# KiCad board dsv4.kicad_pcb (continued)
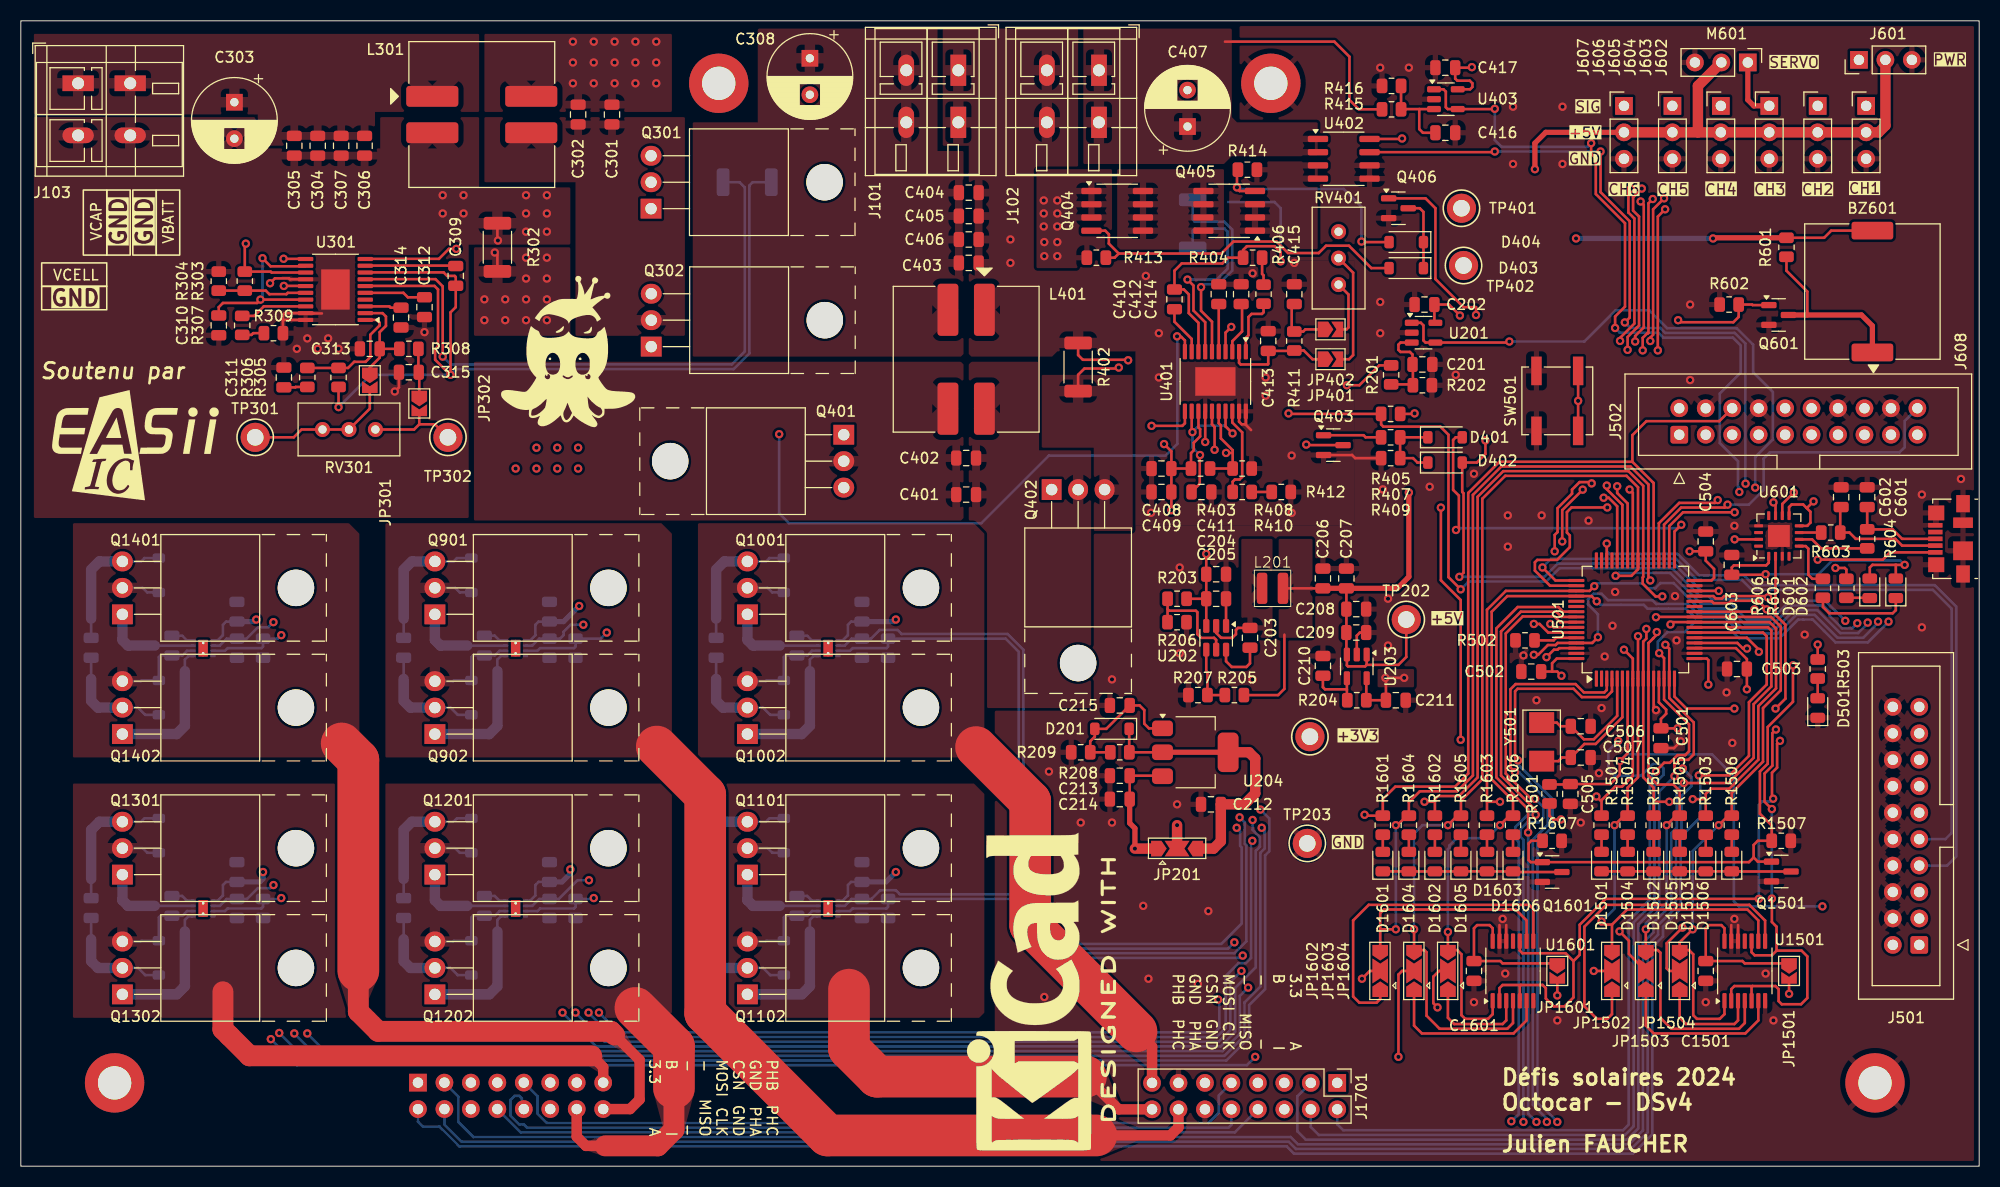
[diagram p0: board, top side]
## Routing (per net, layer and track width the routed paths; a pad name or vN(x,y) marks a point on that pad's centre or on a via; arc(x,y) is an arc through that point) (continued)
/MCU/MOT1.AL: length 157.6
  Top w0.25: v1(151,18.75) JP1502.2
  In2.Cu w0.25: v1(53.25,14.75) 52.05,15.95 52.05,26 54.03,27.97 54.03,29.16 52.03,31.16 52.03,49.39 53.89,51.25 v1(56.25,51.25) ; v1(151,18.75) 150.2,19.55 117.97,19.55 v1(117.18,18.75)
  Bottom w0.25: U901.3 49.6,49.5 49.85,49.75 53.1,49.75 53.25,49.9 R902.1 55.66,50.66 v1(56.25,51.25) ; v1(53.25,14.75) 56.05,11.95 114.99,11.95 116.12,13.08 116.12,17.7 v1(117.18,18.75)
/MCU/MOT1.BH: length 164.6
  Top w0.25: 156.75,35 R1502.1 ; 156.75,35 156.75,36.35 155.75,37.35 U501.10 155.75,50.37 156.05,50.67 v1(156.05,51.6) ; 156.75,35 v1(158.25,35)
  In2.Cu w0.25: v1(116.72,32.5) 116.28,32.95 116.28,33.8 118.92,36.45 149.29,36.45 151.49,34.25 157.5,34.25 v1(158.25,35) ; v1(156.05,51.6) 155.25,52.4 155.25,61.99 162.02,68.76 162.8,68.76 J502.5
  Bottom w0.25: U1001.2 79.1,50 79.76,50.66 R1001.1 81.61,50.66 82.45,51.5 84.16,51.5 84.55,51.11 94.72,51.11 96.25,49.59 96.25,26.41 101.31,21.35 115.25,21.35 117.2,23.3 117.2,30.61 117.05,30.76 117.05,32.17 v1(116.72,32.5)
/MCU/MOT1.BL: length 108.3
  Top w0.25: v1(153.47,22.55) 154.38,21.65 154.38,20.38 JP1503.2
  In2.Cu w0.25: v1(116.5,21.5) 117.05,21.5 118.1,20.45 151.38,20.45 v1(153.47,22.55)
  Bottom w0.25: U1001.3 79.6,49.5 79.85,49.75 83.1,49.75 83.25,49.9 R1002.1 94.54,50.66 95.8,49.4 95.8,26.22 101.12,20.9 115.9,20.9 v1(116.5,21.5)
/MCU/MOT1.CH: length 162.4
  Top w0.25: v1(158.36,52.03) 158.59,52.25 U501.24 167.88,52.25 168.5,51.63 168.5,45.89 166.8,44.19 166.8,39.04 164.01,36.25 162.25,36.25 161.75,35.75 161.75,35.25 ; v1(160.5,35.25) 161.75,35.25 ; 161.75,35.25 R1503.1
  In2.Cu w0.25: v1(158.36,52.03) 157.7,52.69 157.7,53.03 157.23,53.5 156.67,53.5 156.15,54.01 156.15,55.08 156.6,55.53 156.73,55.53 157.23,56.03 157.23,56.62 156.6,57.25 156.6,61.43 162.58,67.41 163.36,67.41 163.9,67.95 165.3,67.95 165.9,68.55 167.67,68.55 J502.9 ; v1(117,33.5) 119.5,36 149.1,36 151.3,33.8 159.05,33.8 v1(160.5,35.25)
  Bottom w0.25: U1101.2 79.1,25 79.76,25.66 R1101.1 81.66,25.66 82.5,26.5 84,26.5 84.39,26.11 95.27,26.11 100.94,20.45 116.5,20.45 117.65,21.6 117.65,30.8 117.5,30.95 117.5,33 v1(117,33.5)
/MCU/MOT1.CL: length 91.6
  Top w0.25: JP1504.2 158.25,18.75 158,19 158,21.4 v1(159.51,22.91)
  In2.Cu w0.25: v1(159.51,22.91) 158.66,22.91 155.75,20 117.52,20 v1(117.3,20.22)
  Bottom w0.25: v1(117.3,20.22) 117.08,20 100.75,20 95.09,25.66 R1102.1 83.25,24.9 83.1,24.75 79.85,24.75 79.6,24.5 U1101.3
/MCU/MOT1_CMD.AL: length 72.3
  Top w0.25: U1501.9 166.8,23.6 165.75,24.65 154.2,24.65 152.75,23.2 ; 152.75,23.2 152.05,23.2 v1(151.75,23.5) ; 152.75,23.2 JP1502.3 ; v1(155.25,50.9) U501.9 155.25,37.35 154.25,36.35 R1504.1 153.91,33.66 v1(153,32.75)
  In2.Cu w0.25: v1(155.25,50.9) 155,50.9 154.8,51.1 154.8,62.18 161.75,69.13 J502.3
  Bottom w0.25: v1(151.75,23.5) 153,24.75 v1(153,32.75)
/MCU/MOT1_CMD.BL: length 79.1
  Top w0.25: v1(158,32.75) 158.91,33.66 R1505.1 159.25,36.05 158.65,36.65 157.1,36.65 156.25,37.5 U501.11 156.25,50.24 156.7,50.69 156.7,50.7 157.05,51.05 v1(157.05,51.3) ; v1(156,22.75) JP1503.3 157.15,20.75 157.4,20.5 157.4,14.25 158.45,13.2 164.95,13.2 165.5,13.75 U1501.4
  In2.Cu w0.25: v1(157.05,51.3) 157.05,51.63 156.23,52.44 155.96,52.44 155.7,52.7 155.7,61.8 162.21,68.31 162.99,68.31 163.54,68.86 164.94,68.86 166.32,70.25 J502.7
  Bottom w0.25: v1(156,22.75) 156,23.3 158,25.3 v1(158,32.75)
/MCU/MOT1_CMD.CL: length 90.8
  Top w0.25: v1(163,32.75) 163.91,33.66 R1506.1 164.25,35.85 167.25,38.85 167.25,44 168.95,45.7 168.95,51.81 168.01,52.75 U501.25 157,52.75 v1(156.98,52.73) ; v1(160.5,22.75) 159.25,21.5 JP1504.3 160.15,20.75 160.55,20.35 160.55,14.5 160.9,14.15 163.1,14.15 163.55,14.6 U1501.1
  In2.Cu w0.25: J502.2 160.5,71.5 160.5,68.51 154.35,62.36 154.35,50.75 154.93,50.17 156.95,50.17 157.78,51 157.78,51.6 156.98,52.4 v1(156.98,52.73)
  Bottom w0.25: v1(163,32.75) 160.5,30.25 v1(160.5,22.75)
/MCU/MOT1_PWM: length 109.2
  Top w0.25: v1(168.1,34.3) 167.4,35 167.4,37.71 168.15,38.46 168.15,41.6 v1(168.49,41.94) ; U1501.10 166.15,20.55 166.45,20.25 168.1,20.25 168.55,20.7 ; 166.25,17.3 168.45,17.3 168.75,17 168.75,15.85 169.05,15.55 170.9,15.55 171.5,16.15 171.5,20.15 170.95,20.7 168.55,20.7 ; 166.25,17.3 164.5,17.3 164.2,17 U1501.2 ; 166.25,17.3 166.15,17.2 U1501.5 ; 168.55,20.7 168.55,23 168.1,23.45 v1(168.1,25.7) ; U501.35 157.75,61.61 159.39,63.25 163.56,63.25 v1(163.84,63.53)
  In2.Cu w0.25: v1(168.49,41.94) 164.65,41.94 160.82,45.76 160.82,47.15 163.9,50.22 163.9,59.16 163.25,59.81 163.25,62.94 v1(163.84,63.53)
  Bottom w0.25: J502.20 180.85,71.57 180.85,69.05 180.35,68.55 167.9,68.55 167.3,67.95 167.3,64.94 165.89,63.53 v1(163.84,63.53) ; v1(168.1,34.3) v1(168.1,25.7)
/MCU/MOT2.AH: length 197.5
  Top w0.25: 154.71,67.65 154.71,70.21 156.05,71.55 163.05,71.55 J502.6 ; 154.71,67.65 141.94,67.65 138.95,64.66 138.95,37.71 137.69,36.45 131.95,36.45 130.75,35.25 R1601.1 129.09,33.66 v1(129,33.75) ; 154.71,67.65 156.75,65.61 U501.37
  In2.Cu w0.25: v1(54.5,14.75) 53.65,15.6 53.04,15.6 52.5,16.14 52.5,25.81 54.15,27.46 v1(54.54,27.46) ; v1(129,33.75) 128.1,34.65 120.82,34.65 120.18,34 120.18,32.52 118.9,31.25 v1(118.22,31.25)
  Bottom w0.25: U1201.2 49.1,25 49.76,25.66 R1201.1 51.64,25.66 53.44,27.46 v1(54.54,27.46) ; v1(118.22,31.25) 118.1,31.12 118.1,20 117.6,19.5 116.9,19.5 115.67,18.27 115.67,13.27 114.8,12.4 56.82,12.4 54.5,14.72 v1(54.5,14.75)
/MCU/MOT2.AL: length 101.8
  Top w0.25: JP1602.2 129.5,18.75 v1(128.75,18)
  In2.Cu w0.25: v1(128.75,18) 128.1,18.65 120.6,18.65 117.95,16 v1(114.95,16) ; v1(55,25.75) 53.45,25.75 52.95,25.25 52.95,17.85 55.5,15.3 v1(55.5,14.75)
  Bottom w0.25: v1(55.5,14.75) 57.4,12.85 114.61,12.85 115.06,13.29 115.06,15.89 v1(114.95,16) ; v1(55,25.75) 54.91,25.66 R1202.1 53.25,24.9 53.1,24.75 49.85,24.75 49.6,24.5 U1201.3
/MCU/MOT2.BH: length 249.8
  Top w0.25: v1(134.75,35) 135.75,35 ; 135.75,35 R1602.1 ; 135.75,35 135.75,35.25 136.05,35.55 138.06,35.55 139.85,37.34 139.85,64.29 142.31,66.75 154.34,66.75 155.75,65.34 U501.39 155.75,56.6 155.7,56.55 155.7,55.95 156.93,54.72 v1(157.58,54.72)
  In2.Cu w0.25: v1(134.75,35) 134.2,35.55 120.3,35.55 v1(119,34.25) ; v1(24.25,27) 24.78,27 25.8,25.98 25.8,25.45 25.05,24.7 22.7,24.7 22.15,24.15 22.15,14.69 23.62,13.22 24.38,13.22 v1(24.81,12.79) ; v1(157.58,54.72) 158.13,55.27 158.13,56.99 157.5,57.62 157.5,61.06 162.95,66.5 163.73,66.5 164.27,67.05 165.67,67.05 166.27,67.65 169.4,67.65 171.91,70.16 J502.11
  Bottom w0.25: v1(119,34.25) 119.85,33.4 119.85,30.25 119.45,29.85 119.45,17 117.92,15.47 117.92,12.34 115.73,10.15 27.45,10.15 v1(24.81,12.79) ; v1(24.25,27) 23.95,26.7 22.75,26.7 21.71,25.66 R1301.1 19.76,25.66 19.1,25 U1301.2
/MCU/MOT2.BL: length 144.1
  Top w0.25: v1(132.25,10.5) 132.25,18.4 132.6,18.75 JP1603.2
  In2.Cu w0.25: v1(132.25,10.5) v1(118.5,10.5) ; v1(24,12.2) 21.65,14.55 21.65,25.05 22.35,25.75 v1(25,25.75)
  Bottom w0.25: v1(25,25.75) 24.91,25.66 R1302.1 23.25,24.9 23.1,24.75 19.85,24.75 19.6,24.5 U1301.3 ; v1(118.5,10.5) 117.7,9.7 26.5,9.7 v1(24,12.2)
/MCU/MOT2.CH: length 274.9
  Top w0.25: 140.75,35 140.75,53.44 142.56,55.25 U501.51 150.6,55.25 v1(151.05,55.7) ; 140.75,35 R1603.1 ; 140.75,35 v1(142,35)
  In2.Cu w0.25: v1(26.25,12.75) 24.8,14.2 23.85,14.2 22.6,15.45 22.6,23.55 23.3,24.25 25.35,24.25 26.25,25.15 26.25,26.45 21.48,31.22 21.48,50.21 23.52,52.25 v1(24.25,52.25) ; v1(142,35) 141.45,35.55 136.33,35.55 135.05,34.28 134.45,34.28 133.62,35.1 120.49,35.1 119.72,34.34 119.72,33.1 v1(119.12,32.5) ; v1(176.3,52.15) 175.88,52.58 175.88,53.03 175.6,53.3 175.6,66.05 176.99,67.44 J502.15
  Bottom w0.25: v1(119.12,32.5) 119.4,32.22 119.4,30.5 119,30.1 119,17.25 117.47,15.72 117.47,12.52 115.55,10.6 28.4,10.6 v1(26.25,12.75) ; v1(176.3,52.15) 175.8,51.65 174.85,51.65 173.64,52.86 173.64,53.24 173.04,53.85 170.04,53.85 168.24,52.05 165.51,52.05 164.01,53.55 161.12,53.55 158.67,56 157.4,56 156.9,55.5 156.15,55.5 155.67,55.97 151.32,55.97 v1(151.05,55.7) ; v1(24.25,52.25) 23.75,51.75 22.75,51.75 21.66,50.66 R1401.1 19.76,50.66 19.1,50 U1401.2
/MCU/MOT2.CL: length 179.2
  Top w0.25: JP1604.2 136.15,18.75 135.6,18.2 135.6,15.65 v1(136,15.25)
  In2.Cu w0.25: v1(117.82,17.15) 117.82,18.03 118.9,19.1 135.32,19.1 135.68,18.75 135.68,15.57 v1(136,15.25) ; v1(27.5,12.75) 25.35,14.9 23.79,14.9 23.05,15.64 23.05,23.36 23.49,23.8 25.54,23.8 26.7,24.96 26.7,26.65 21.92,31.42 21.92,50.02 22.9,51 v1(25,51)
  Bottom w0.25: v1(25,51) 24.66,50.66 R1402.1 23.25,49.9 23.1,49.75 19.85,49.75 19.6,49.5 U1401.3 ; v1(117.82,17.15) 117.02,16.35 117.02,12.71 115.36,11.05 29.2,11.05 v1(27.5,12.75)
/MCU/MOT2_CMD.AL: length 121
  Top w0.25: v1(156.43,56.25) 156.25,56.42 U501.38 156.25,65.47 154.52,67.2 142.13,67.2 139.4,64.47 139.4,37.52 137.88,36 134.3,36 133.25,34.95 R1604.1 133.06,33.66 132.15,32.75 v1(132,32.75) ; v1(132,22.75) 130.5,22.75 ; 130.5,22.75 130.5,24.3 130.85,24.65 143.5,24.65 144.55,23.6 U1601.9 ; 130.5,22.75 JP1602.3
  In2.Cu w0.25: J502.10 168.1,71.52 168.1,69.86 167.25,69 165.72,69 165.11,68.4 163.71,68.4 163.17,67.86 162.39,67.86 156.15,61.62 156.15,56.53 v1(156.43,56.25)
  Bottom w0.25: v1(132,32.75) v1(132,22.75)
/MCU/MOT2_CMD.BL: length 136.6
  Top w0.25: v1(133.75,22.75) JP1603.3 134.75,20.75 134.95,20.55 134.95,14.45 136.2,13.2 142.7,13.2 143.25,13.75 U1601.4 ; v1(153.1,56.7) 154.62,56.7 155.25,57.33 U501.40 155.25,65.2 154.15,66.3 142.5,66.3 140.3,64.1 140.3,37.15 138.25,35.1 R1605.1 137.91,33.66 v1(137,32.75)
  In2.Cu w0.25: J502.13 174.45,66.7 175.15,66 v1(175.15,52.38)
  Bottom w0.25: v1(175.15,52.38) 173.22,54.3 169.85,54.3 168.05,52.5 165.7,52.5 164.2,54 161.3,54 158.33,56.97 153.38,56.97 v1(153.1,56.7) ; v1(133.75,22.75) 133.75,31.95 134.55,32.75 v1(137,32.75)
/MCU/MOT2_CMD.CL: length 111.4
  Top w0.25: v1(151.29,54.25) 150.79,54.75 U501.52 142.7,54.75 141.2,53.25 141.2,37.15 143.25,35.1 R1606.1 142.91,33.66 v1(142,32.75) ; U1601.1 141.3,14.6 140.85,14.15 138.65,14.15 138.3,14.5 138.3,20.35 137.9,20.75 JP1604.3 v1(137,22.5)
  In2.Cu w0.25: J502.17 179.53,68.71 176.51,65.69 176.51,54.09 v1(178.29,52.3)
  Bottom w0.25: v1(137,22.5) 137,30.45 137.15,30.6 137.15,30.8 137.85,31.5 140.75,31.5 v1(142,32.75) ; v1(151.29,54.25) 151.63,53.91 155.8,53.91 156.17,53.54 159.85,53.54 160.42,52.97 160.4,53 160.75,52.65 163.64,52.65 165.14,51.15 168.64,51.15 170.44,52.95 172.2,52.95 174.4,50.75 176.86,50.75 178.25,52.14 178.25,52.26 v1(178.29,52.3)
/MCU/MOT2_PWM: length 101.4
  Top w0.25: 144,17.4 146.1,17.4 146.4,17.1 146.4,16.1 147.15,15.35 148.2,15.35 149.05,16.2 149.05,19.7 ; 144,17.4 142.25,17.4 141.95,17.1 U1601.2 ; 144,17.4 143.9,17.3 U1601.5 ; 149.05,19.7 148.3,20.45 144.15,20.45 143.9,20.7 U1601.10 ; 149.05,19.7 149.65,20.3 149.65,23.19 152.14,25.67 v1(166.85,25.67) ; U501.36 157.25,61.75 159.2,63.7 162.62,63.7 v1(162.9,63.97) ; v1(168.22,35.29) 168.13,35.29 168.11,35.31 168.11,37.79 168.6,38.28 168.6,40.58 v1(168.88,40.85)
  In2.Cu w0.25: v1(168.88,40.85) 165.94,40.85 165.3,41.49 164.46,41.49 160.38,45.58 160.38,47.33 163.45,50.41 163.45,53.77 162.28,54.95 162.28,55.72 162.8,56.25 162.8,63.88 v1(162.9,63.97)
  Bottom w0.25: v1(166.85,25.67) 166.85,34.7 167.18,35.03 167.96,35.03 v1(168.22,35.29)
/MCU/MOT_LED_EN: length 87.4
  Top w0.25: v1(170.12,48.1) 170.12,44.6 167.7,42.17 167.7,38.65 166.95,37.9 166.95,33.85 168.09,32.71 R1507.1 166.75,31.25 166.35,30.85 166.35,29.65 ; v1(164.53,62.8) 159.57,62.8 158.25,61.48 U501.34 ; 168,29.25 166.75,29.25 166.35,29.65 ; 166.35,29.65 165.9,29.2 Q1601.1 144.95,29.2 144.75,29.4 144.75,31 145,31.25 R1607.1
  In2.Cu w0.25: v1(164.53,62.8) 163.72,62 163.72,59.97 164.35,59.35 164.35,50.04 161.28,46.96 161.28,45.95 161.7,45.53 162.32,45.53 164.9,48.1 v1(170.12,48.1)
/MCU/NRST: length 121.7
  Top w0.25: v1(136.32,63.25) 136.32,56.27 138.22,54.37 v1(138.22,40.95) ; U501.7 154.25,39.65 v1(153.5,38.9) 153.5,37.6 152.6,36.7 C505.1 148.71,36.66 R501.2 ; SW501.2 v1(149.5,73.5) SW501.2
  In2.Cu w0.25: v1(172.95,24.95) 172.97,24.97 181.07,24.97 J501.3 ; v1(149.5,73.5) 139.25,63.25 v1(136.32,63.25) ; v1(153.5,38.9) 151.45,40.95 v1(138.22,40.95)
  Bottom w0.25: v1(153.5,38.9) 154.15,39.55 162.35,39.55 164.45,37.45 164.45,25.45 164.95,24.95 v1(172.95,24.95)
/MCU/OSC_1: length 12.4
  Top w0.25: U501.5 153.25,43.25 151,41 150.05,41 C506.1 147.8,42.25 147.45,42.6 Y501.1
/MCU/OSC_2: length 13.2
  Top w0.25: U501.6 153.75,43.11 151.19,40.55 150.1,40.55 C507.1 147.95,39.25 147.6,38.9 Y501.2
/MCU/RADIO1: length 62.5
  Top w0.25: v1(157.85,91.9) 157.15,91.2 v1(157.15,78.35) ; v1(154.44,64.99) 154.75,64.67 U501.41
  In2.Cu w0.25: v1(157.85,91.9) 158.72,92.78 173.32,92.78 175.05,94.5 175.05,100.95 175.93,101.83 J602.1 ; v1(154.44,64.99) 157.15,67.7 v1(157.15,78.35)
/MCU/RADIO2: length 59.9
  Top w0.25: U501.42 154.25,63.65 153.25,64.65 v1(153.25,65.3) ; v1(157.75,92.95) 156.7,91.9 156.7,79.85 156.43,79.58 v1(156.43,79.25)
  In2.Cu w0.25: v1(157.75,92.95) 158.25,92.95 158.53,93.22 168.93,93.22 170.45,94.75 170.45,101.05 171.23,101.83 J603.1 ; v1(153.25,65.3) 153.3,65.3 153.75,65.75 154.56,65.75 156.7,67.89 156.7,77.77 156.43,78.05 v1(156.43,79.25)
/MCU/RADIO3: length 62.7
  Top w0.25: U501.43 153.75,63.51 152.25,65.01 v1(152.25,65.36) ; v1(156.66,92.89) 156.25,92.48 156.25,80.04 156.19,79.97 156.12,79.97 155.7,79.55 v1(155.7,78.35)
  Top w0.5: J604.1 166.37,101.83 165.79,102.41 M601.1
  In2.Cu w0.25: v1(155.7,78.35) 155.97,78.08 155.97,77.86 156.25,77.59 156.25,68.3 154.15,66.2 153.09,66.2 v1(152.25,65.36) ; J604.1 166.48,101.83 165.65,101 165.65,94.75 164.57,93.67 157.45,93.67 v1(156.66,92.89)
/MCU/RADIO4: length 54
  Top w0.25: U501.44 153.25,63.38 152.43,64.2 v1(151.95,64.2) ; v1(155.5,92.65) 155.8,92.35 155.8,80.55 154.97,79.72 v1(154.97,79.2)
  In2.Cu w0.25: v1(151.95,64.2) 151.53,64.62 151.53,65.66 152.51,66.65 153.96,66.65 155.8,68.49 155.8,77.2 154.97,78.03 v1(154.97,79.2) ; J605.1 161.53,101.83 161,101.3 161,95.3 159.82,94.12 156.87,94.12 155.5,92.75 v1(155.5,92.65)
/MCU/RADIO5: length 61.2
  Top w0.25: U501.58 147.15,51.75 v1(146.82,52.08) ; v1(155.61,93.89) 154.78,93.05 154.78,91.78 155.35,91.2 155.35,80.74 155.11,80.5 155.16,80.54 154.25,79.64 v1(154.25,78.4) ; v1(147.25,59.05) 147.25,60.62 147.53,60.9 147.53,63.19 148.92,64.58 148.92,64.97 149.64,65.7 150.68,65.7 v1(150.8,65.58)
  In2.Cu w0.25: J606.1 157.13,101.83 156.65,101.35 156.65,94.93 v1(155.61,93.89) ; v1(154.25,78.4) 154.25,78.11 155.35,77.01 155.35,68.75 153.7,67.1 152.33,67.1 v1(150.8,65.58) ; v1(147.25,59.05) 147.25,52.5 v1(146.82,52.08)
/MCU/RADIO6: length 64.5
  Top w0.25: v1(154.58,93.88) 154.32,93.63 154.32,91.59 154.9,91.01 154.9,80.92 153.53,79.55 v1(153.53,79.26) ; v1(145.25,52.08) 145.8,52.08 146.62,51.25 U501.59 ; v1(147.97,60) 147.97,63.01 v1(149.94,64.97)
  In2.Cu w0.25: J607.1 155.67,101.83 156.15,101.35 156.15,95.06 155.94,94.86 155.55,94.86 v1(154.58,93.88) ; v1(147.97,60) 147.88,59.9 147.07,59.9 146.53,59.35 146.53,58.75 146.8,58.47 146.8,53.18 145.7,52.08 v1(145.25,52.08) ; v1(149.94,64.97) 149.94,65.74 151.75,67.55 153.51,67.55 154.9,68.94 154.9,76.65 153.53,78.03 v1(153.53,79.26)
/MCU/SWCLK: length 70.3
  Top w0.25: U501.49 147.32,56.25 v1(146.07,57.5)
  Bottom w0.25: J501.9 184.76,31.41 185.35,32 185.35,53.55 183.55,55.35 166.18,55.35 165.23,56.3 160.91,56.3 158.89,58.33 146.9,58.33 v1(146.07,57.5)
/MCU/SWDIO: length 66
  Top w0.25: U501.46 v1(152.25,59.8)
  Bottom w0.25: v1(152.25,59.8) 152.25,59.05 152.5,58.8 159.05,58.8 161.1,56.75 165.41,56.75 166.36,55.8 183.74,55.8 185.8,53.74 185.8,29.75 184.92,28.87 J501.7
/MCU/USART.RX: length 21.3
  Top w0.25: U501.17 161.85,48.75 162,48.6 v1(162,46.25) ; v1(164.53,60.2) 166.82,60.2
  In2.Cu w0.25: v1(162,46.25) 162,47.05 164.8,49.85 164.8,59.92 v1(164.53,60.2)
/MCU/USART.TX: length 27.3
  Top w0.25: U601.2 168.45,52.95 169.4,52 169.4,44.9 v1(168.45,43.95) ; U501.16 158.75,45.1 159.9,43.95 v1(164.5,43.95)
  In2.Cu w0.25: v1(168.45,43.95) v1(164.5,43.95)
/MCU/USER_LED: length 16.7
  Top w0.25: U501.28 162.34,54.25 162.51,54.08 163.97,54.08 164.2,54.3 166.78,54.3 v1(167.6,53.47) ; v1(172.5,50.1) R503.1
  In2.Cu w0.25: v1(172.5,50.1) 172.5,52.65 171.85,53.3 167.78,53.3 v1(167.6,53.47)
/MCU/~{BAT_CHARGE}: length 35.6
  Top w0.25: v1(137.78,61.1) 138,61.1 138.05,61.15 138.05,64.4 137.5,64.95 137.5,69.75 137.75,70 D401.2 ; v1(159.4,61.6) 158.75,60.95 U501.33
  Bottom w0.25: v1(159.4,61.6) 159.07,61.28 137.95,61.28 v1(137.78,61.1)
/MOT A Connection/MOT.A: length 92.9
  Top w1: J1701.14 111.13,3.74 110.35,2.95 103.25,2.95
  Top w4: 61.05,40.3 65.7,35.65 65.7,14.7 77.45,2.95 103.25,2.95
  Bottom w0.25: D901.2 42.14,55.1 41.7,55.54 Q901.2 ; Q902.3 41.5,46.58 41.57,46.65 D902.1 43.25,48.89 43.41,49.05 C901.2 45.51,49.05 45.96,49.5 U901.6
/MOT A Connection/MOT.B: length 52.3
  Top w1: 107.1,12.95 108.6,11.45 108.59,11.44 J1701.15
  Top w4: 107.1,12.95 96.9,23.15 96.9,35.05 91.7,40.25
  Bottom w0.25: Q1001.2 71.7,55.54 72.14,55.1 D1001.2 ; Q1002.3 71.5,46.58 71.57,46.65 D1002.1 73.25,48.89 73.41,49.05 C1001.2 75.51,49.05 75.96,49.5 U1001.6
/MOT A Connection/MOT.C: length 50.2
  Top w1: 102.25,8.6 105.39,5.46 J1701.16
  Top w4: 102.25,8.6 82.2,8.6 79.5,11.3 79.5,16.95
  Bottom w0.25: Q1101.2 71.7,30.54 72.14,30.1 D1101.2 ; Q1102.3 71.5,21.58 71.57,21.65 D1102.1 73.25,23.89 73.41,24.05 C1101.2 75.51,24.05 75.96,24.5 U1101.6
/MOT B Connection/MOT.A: length 39.2
  Top w1: 56.1,1.95 54.25,1.95 53.36,2.84 J1801.14
  Top w2: 56.1,1.95 61.15,1.95 62.7,3.5 62.7,7.5
  Top w4: 59,15.2 62.7,11.5 62.7,7.5
  Bottom w0.25: U1201.6 45.96,24.5 45.51,24.05 C1201.2 43.41,24.05 43.25,23.89 D1202.1 41.57,21.65 41.5,21.58 Q1202.3 ; D1201.2 42.14,30.1 41.7,30.54 Q1201.2
/MOT B Connection/MOT.B: length 56.1
  Top w1: 54.8,10.6 55.91,9.5 J1801.15
  Top w2: 54.8,10.6 21.95,10.6 19.4,13.15 19.4,16.75
  Bottom w0.25: Q1302.3 11.5,21.58 11.57,21.65 D1302.1 13.25,23.89 13.41,24.05 C1301.2 15.51,24.05 15.96,24.5 U1301.6 ; D1301.2 12.14,30.1 11.7,30.54 Q1301.2
/MOT B Connection/MOT.C: length 76
  Top w1: J1801.16 58.48,5.49 59.4,6.4 59.4,10.2 57,12.6
  Top w2: 32.4,18.75 32.4,14.85 34.3,12.95 56.65,12.95 57,12.6
  Top w4: 30.8,40.6 32.4,39 32.4,18.75
  Bottom w0.25: D1401.2 12.14,55.1 11.7,55.54 Q1401.2 ; U1401.6 15.96,49.5 15.51,49.05 C1401.2 13.41,49.05 13.25,48.89 D1402.1 11.57,46.65 11.5,46.58 Q1402.3
/PSU/Battery chagrer/SWIN_CSP: length 34.3
  Top w0.25: v1(105.4,76.7) 105.3,76.6 102.1,76.6 101.5,76 R402.1 ; v1(114.6,68.8) 114.6,71 114.35,71.25 U401.15
  In2.Cu w0.25: v1(105.4,76.7) 105.4,79.14 107.96,81.7 113.14,81.7 114.15,80.69 114.15,72.7 U401.15 114.6,72.25 v1(114.6,68.8)
/PSU/Battery chagrer/SWOUT_ISP: length 20.7
  Top w0.25: U401.7 113.7,81.05 112.57,82.17 112.57,84.58 v1(112,85.15)
  Bottom w0.25: R401.1 112.5,89.85 112.7,90.05 115.55,90.05 115.85,89.75 115.85,86.2 114.8,85.15 v1(112,85.15)
/PSU/Input PSU/SW_OUT:
  vias: v1(53,108) v1(53,106) v1(53,104) v1(55,108) v1(55,106) v1(55,104) v1(57,108) v1(57,106) v1(57,104) v1(59,108) v1(59,106) v1(59,104) v1(61,108) v1(61,106) v1(61,104)
/PSU/Input PSU/SWIN_CSP: length 29.7
  Top w0.25: v1(45.5,87.75) 45.75,87.5 R302.1 ; v1(25.25,84.54) 27.32,84.54
  In2.Cu w0.25: v1(25.25,84.54) 25.25,85.9 24.5,86.65 24.5,88.2 25.2,88.9 43.2,88.9 43.75,88.35 44.9,88.35 v1(45.5,87.75)
  vias: v1(44.5,83.25) v1(44.5,81.25) v1(46.5,83.25) v1(46.5,81.25) v1(48.5,87.25) v1(48.5,85.25) v1(48.5,83.25) v1(48.5,81.25) v1(50.5,87.25) v1(50.5,85.25) v1(50.5,83.25) v1(50.5,81.25)
/PSU/Input PSU/SWOUT_ISP: length 62.3
  Top w0.25: v1(40.5,77.75) 40.5,84.5 39.81,85.19 33.08,85.19
  Bottom w0.25: R301.1 69,94.5 69.5,94 69.5,78.25 68.25,77 41.25,77 v1(40.5,77.75)
/PSU/Input PSU/V_{CTRL}: length 2.3
  Top w0.25: R306.2 26.39,74.84 26.35,74.8 C311.1
/PSU/V_{CELL}: length 20.2
  Top w0.25: U301.13 24.08,85.83 23.99,85.91 R303.1 21.5,88.5 v1(21.6,88.6)
  In2.Cu w0.25: v1(21.6,88.6) 21.6,89.15 24.25,91.8 24.25,98.65 v1(23.9,99)
/Radio and misc/V_{FTDI}: length 47.4
  Top w0.25: 171.45,63.2 171.8,62.85 171.8,61.8 171.5,61.5 U601.8 ; 171.45,63.2 171.1,63.55 170,63.55 169.75,63.3 U601.9 ; 171.45,63.2 v1(172.1,63.85) ; 180,57.75 v1(180.85,57.75) ; 180,57.75 D602.2 ; 180,57.75 177.75,57.75 177.5,57.5 D601.2 ; v1(167.5,56.85) 167.45,56.8 C603.1 164.25,57.5 164.45,57.7 167.55,57.7 167.8,57.95 U601.1
  In2.Cu w0.25: v1(167.5,56.85) 172.45,56.85 173.22,57.62 173.22,58.97 172.1,60.1 v1(172.1,63.85)